# Altium PCB openmv-ae3.PcbDoc (part 5 of 5)
Units mil, origin at the board's own origin, x right, y up, seen from the top; angles counter-clockwise.
Board outline 1400 x 1750 mil, 10 copper layers (Top, L2G, L3V, L4P, L5H, L6V, L7P, L8H, L9G, Bottom Layer), stack 46.28 mil thick; 351 components, 311 nets, 1344 pads, 643 vias.
Unrouted connection lines stored in the file: 8.
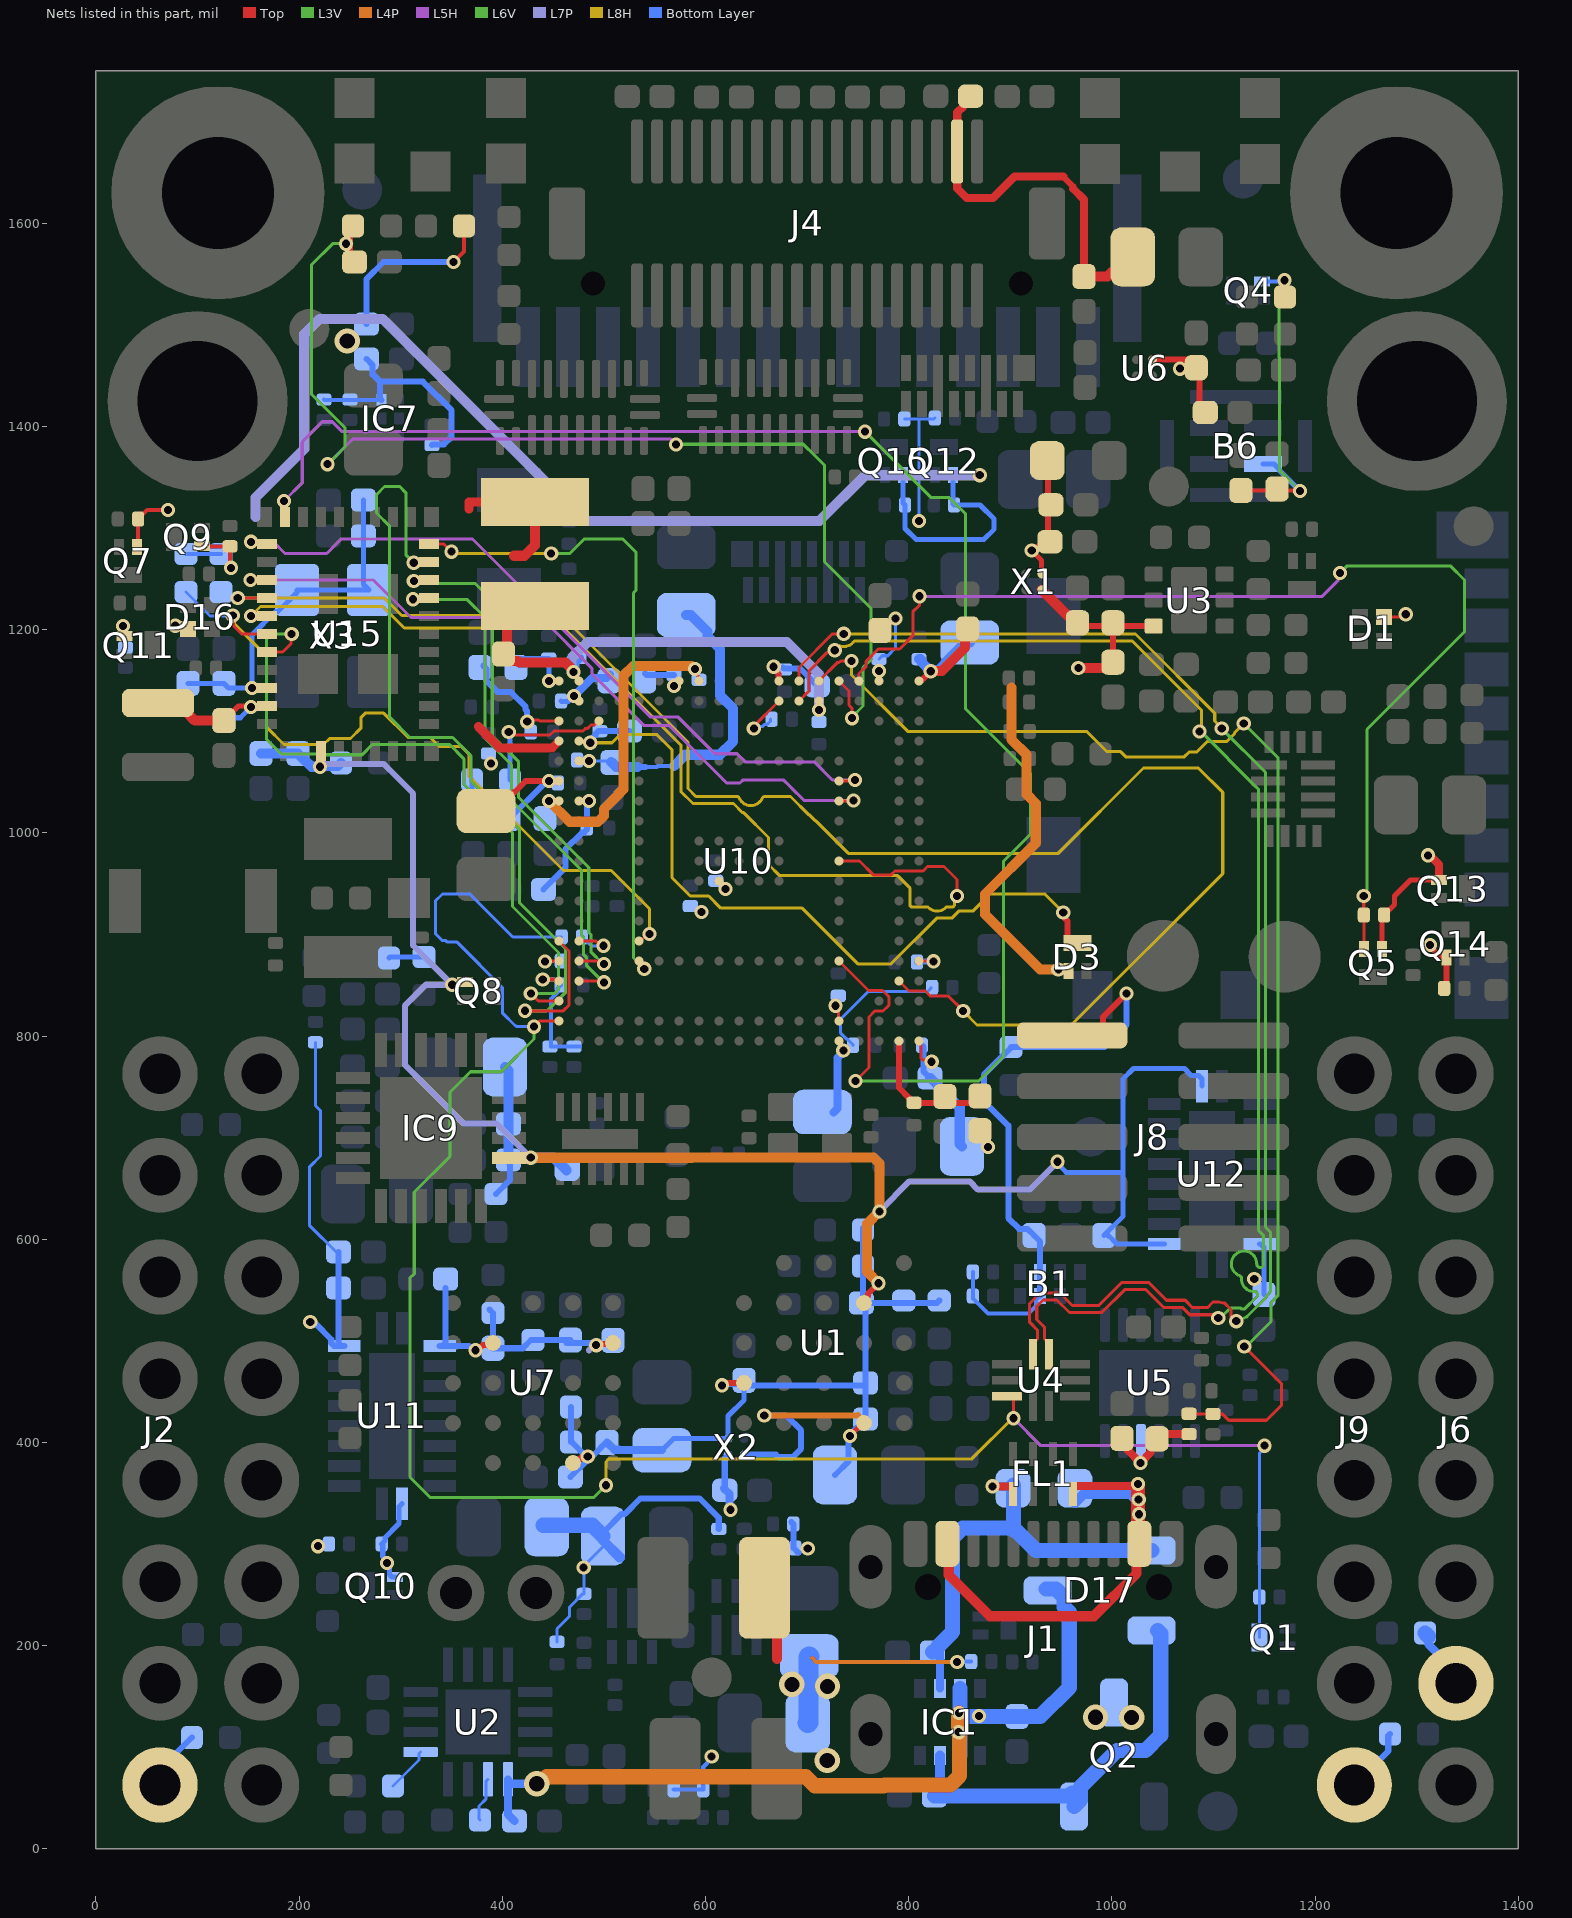
[diagram p13: the nets of this part, all layers, seen from the top]

## Via types
v1: diameter 14, hole 8, Top to Bottom Layer, tented both sides, 631 vias
v2: diameter 25, hole 15, Top to Bottom Layer, tented both sides, 7 vias
v3: diameter 30, hole 15, Top to Bottom Layer, tented both sides, 3 vias
v4: diameter 14/14/0/14/14/14/14/0/14/14 (per signal layer), hole 8, Top to Bottom Layer, tented both sides, 2 vias

## Nets (pads, with @x,y where several pads share a name; then routed paths per layer and width w, separated by ;. In a path a pad name is that pad's centre, name@x,y a point inside that pad or via, vN(x,y) a via of type N, cw(c..) or ccw(c..) an arc to the next point about the centre after c; other vN are vias at no path point) (continued)
TM: R78.1 U10.J11
  other v1: 619.65,944.97
TMR: R11.1 U2.14 | length 44
  Bottom Layer w3: R11.1@377.95,28.54 376.97,29.53 376.97,42.32 383.65,49.01 383.65,66.33 U2.14@385.82,68.5
TS: R9.1 U2.1 | length 44.7
  Bottom Layer w3: R9.1@292.32,62.01 317.92,87.61 317.92,93.91 U2.1@319.48,95.47
USB_D_N: U4.6 U10.V7 | length 1429.6
  Top w3: U10.V7@691.93,1129.92 702,1139.99 702,1146.83 701.83,1147 701.83,1159.83 719.79,1177.79 ; U4.6@937.99,486.83 937.99,497.72 935.48,500.24 935.38,500.24 933.62,502 933.62,513.56 925.95,521.23 925.95,534.05 932.12,540.22 945.88,540.22 958.1,528 990,528 1012.48,550.48 1033.4,550.48 1050.79,533.09 1069.16,533.09 1076.44,525.81 1102.83,525.81 1103.71,524.93 1104.59,524.05 v1(1104.57,522.5)
  L3V w3: v1(1086,1100) 1087.22,1100 1141.07,1046.15 1144,1043.22 1144,609.1 1146.07,607.03 1149,604.1 1149,574.05 1148.12,573.17 1147.24,572.29 1146,572.29 1145.36,572.29 ccw(c1140,561) 1144.32,572.73 1144.2,572.79 cw(c1145.49,575.49) 1142.49,575.56 ccw(c1130,576) 1125.59,564.3 cw(c1124.51,561.51) 1127.51,561.44 ccw(c1140,561) 1140.26,548.5 1141.5,548.5 1142.37,547.64 ; v1(1104.57,522.5) 1105.37,523.3 1105.37,523.54 1105.98,524.15 1106.86,525.03 1109.08,525.03 1116.41,532.35 1126.76,532.35 1127.81,531.3 1130.3,531.3 1143.26,544.26 1143.26,545.5 1143.26,546.74 1142.38,547.62
  L8H w3: v1(727.15,1179.89) 731.17,1183.92 732.41,1183.92 732.79,1183.92 ccw(c736,1196) 745.46,1187.83 745.53,1187.9 746.41,1188.78 1020.22,1188.78 1023.15,1185.85 1088,1121 1088,1102 v1(1086,1100)
USB_D_P: U4.7 U10.W7 | length 1408.4
  Top w3: U10.W7@691.93,1149.61 691.93,1162.93 725,1196 v1(736,1196) ; U4.7@922.24,486.83 922.24,497.72 924.76,500.24 924.86,500.24 926.62,502 926.62,510.67 918.95,518.33 918.95,536.95 929.22,547.22 948.78,547.22 961,535 987.1,535 1009.58,557.48 1036.29,557.48 1053.69,540.09 1072.06,540.09 1079.34,532.81 1093.92,532.81 1099.42,538.31 1105.26,538.31 ccw(c1109.37,550.11) 1109.5,537.61 1110.47,537.61 1117.1,530.98 1117.1,522.39 1118.86,520.63 1120.81,520.63 1121.58,519.85 cw(c1120.75,516.97) v1(1122.33,519.52)
  L3V w3: v1(1108,1102.73) 1151,1059.73 1151,612 1156,607 1156,548.76 1150.26,541.36 1134.45,525.55 1132.69,523.79 1126.52,521.17 1123.78,521.17 1122.9,520.29 1122.25,519.64 cw(c1119.83,517.86) v1(1122.33,519.52)
  L8H w3: v1@736,1195.78 1023.12,1195.78 1026.05,1192.85 1101.16,1117.73 1101.16,1110.27 1108,1103.43 v1(1108,1102.73)
USB_D_SEL_INT: R2.2 U10.F18 | length 51.4
  Top w3: U10.F18@475.39,893.7 491.91,893.7 496.62,888.99 v1(499.6,888.99)
  Bottom Layer w3: R2.2@478.4,897.72 478.4,897.04 483.71,891.72 484.4,891.72 487.13,888.99 v1(499.6,888.99)
USB_D_SEL_SBL: Q1.3 R2.1 R100.2 U4.10 U10.B19 | length 1989
  Top w3: v1(431.16,809.37) 434.61,812.82 434.61,813.2 436.37,814.96 U10.B19@455.71,814.96 ; U4.10@896.71,445.68 900.48,445.68 903,443.17 v1(903,424)
  L3V w3: v1(431.16,809.37) 431.16,797.16 399,765 368.6,765 348.6,745 348.6,681.89 313.26,646.55 313.26,566.02 311.24,564 310.76,564 309,562.24 309,366 329,346 490,346 v1(502,358)
  L8H w3: v1(502,358) 502,380.95 505.05,384 862,384 902,424 v1(903,424)
  L5H w3: v1(903,424) 930,397 v1(1150,397)
  Bottom Layer w3: v1(431.16,809.37) 414.63,809.37 414,810 413,810 400,823 400,848 355.48,892.52 345.79,892.52 344.31,894 341,894 334,901 334,933 341,940 368,940 410.28,897.72 R2.1@458.4,897.72 ; Q1.3@1145.4,208.35 1145.4,389.74 1150,394.34 v1(1150,397)
USB_R: R71.1 U10.V8 | length 60.3
  Top w3: v1(647.47,1102.88) 647.47,1105.14 U10.V8@672.24,1129.92
  Bottom Layer w3: v1@645.8,1102.88 v1(647.47,1102.88) 649.3,1104.71 655.9,1104.71 658.12,1106.93 660.61,1106.93 664,1110.31 R71.1@664,1112
USB_VBUS: FL1.4 J1.A4_B9 J1.B4_A9 L1.2 | length 511.7
  Top w8: FL1.4@961.62,349.4 961.62,357.15 961.68,357.21 969.43,357.21 969.49,357.27 1019.47,357.27 1020.3,358.1 1024.54,358.1 v1(1025.69,359.25)
  Top w10: J1.A4_B9@837.97,300.39 839.39,298.97 839.39,269.61 880,229 982,229 1024.07,271.07 1024.07,297.52 J1.B4_A9@1026.94,300.39 J1.B4_A9@1025.69,301.65
  Top w14: J1.B4_A9@1025.69,301.65 v1(1025.69,359.25)
  Bottom Layer w10: L1.2@963.58,340.55 972.52,349.48 1017.99,349.48 1022.66,344.81 1025.49,344.81 1025.69,344.62 v1(1026.26,344.05)
  Bottom Layer w14: v1(1025.69,359.25) 1025.69,344.62 1025.69,330.2 v1(1026.47,329.42)
USB_VBUS_R: R67.2 R69.1 U10.W6 | length 1301.3
  Top w3: U10.W6@711.61,1149.61 729.66,1167.65 ccw(c727.15,1179.89) 733.73,1169.27 v1(743.56,1169.27) ; R67.2@1075.79,428.31 R69.1@1099.25,428.31 ; R69.1@1100,428 1109,428 1115,422 1152,422 1167,437 1167,457.69 v1(1130.15,494.54)
  L3V w3: v1(1129.71,1107.81) 1163.28,1074.24 1163.28,544.48 1156.5,537.7 1156.5,518.93 1132.1,494.54 v1(1130.15,494.54)
  L8H w3: v1(743.56,1169.27) 743.56,1155.44 799,1100 975,1100 995,1080 1008.53,1080 1013.56,1074.97 1071.17,1074.97 1075.75,1079.55 1083.22,1079.55 1093.91,1090.23 1113.18,1090.23 1120.5,1097.55 1120.5,1098.59 v1(1129.71,1107.81)
USER_SW_INT: C133.2 R68.2 U10.W5 | length 1124.2
  Top w3: U10.W5@731.3,1149.61 741.2,1139.71 741.2,1125.87 744,1123.06 v1(744,1113)
  Top w4: R68.2@252.95,1597.44 250.98,1595.47 250.98,1565.55 C133.2@254.53,1562.01
  L3V w3: v1(228,1363) 245,1380 245,1399 212,1432 212,1559 233,1580 v1(246,1580) ; v1(570.96,1382.51) 571.08,1382.63 696.23,1382.63 708.1,1370.76 708.24,1370.76 717,1362 717,1267 763,1221 763,1171 755,1163 755,1125 v1@744,1114
  L5H w3: v1(228,1363) 253,1388 261.64,1388 ccw(c265.16,1407.18) 268.68,1388 565.47,1388 v1(570.96,1382.51)
V_BATT: C4.2 C9.2 C114.1 D17.3 IC1.2 IC1.7 U2.13 | length 936.3
  Top w10: C114.1@658,257 670.33,244.67 670.33,186.92
  L4P w15: v2(433.93,64.2) 436.64,64.2 443.43,70.99 698.68,70.99 707.35,62.32 775.3,62.32 775.98,63 841,63 850,72 850,114.08 v1(849.1,114.98) 849.1,132.5 849.47,132.86 v1(849.47,133.93)
  Bottom Layer w8: U2.13@405.51,68.5 U2.13@405.51,63.89 ; C9.2@412.01,27.56 405.51,34.05 U2.13@405.51,63.89 ; v2(433.93,64.2) 405.82,64.2 U2.13@405.51,63.89
  Bottom Layer w15: IC1.2@850.39,92.01 850.39,113.69 v1(849.1,114.98) 849.1,131.72 849.47,132.08 v1(849.47,133.93) 850.39,134.85 IC1.7@850.39,157.99 ; v1@850.39,133 853.08,130.32 C4.2@906.5,130.32 929.32,130.32 958,159 958,233 952.78,238.22 952.78,248.14 944.93,256 D17.3@935,256
  other v1: 869,131
VBUS: C3.2 C34.1 C38.2 D17.1 FL1.1 IC1.6 L1.1 R67.1 U5.4 | length 536
  Top w8: v1(882.4,356.94) 902.49,356.94 902.56,356.87 FL1.1@902.56,349.4 ; C34.1@1009.84,404.13 1016.06,397.91 1016.06,391.94 v1(1028,380) 1038.07,390.07 1038.07,402.09 1044.29,408.31 R67.1@1075.79,408.31
  Bottom Layer w8: IC1.6@830.71,157.99 C3.2@830.71,193.9
  Bottom Layer w15: C3.2@823.23,193.9 824.21,193.9 828.13,197.81 828.13,198.8 842.97,213.64 842.97,306.05 852.92,316 903,316 925.21,293.79 D17.1@1039.02,293.79 ; 903,314 L1.1@903,358
VCC_1.8V: B1.3 B1.6 B6.3 C25.1 C26.1 C27.2 C41.1 C46.1 C48.2 C55.2 C58.1 C87.2 C107.2 C108.1 C109.2 C111.2 D10.1 IC7.6 J8.1 L3.2 Q4.1 Q5.1 Q13.1 R15.2 R17.1 R35.2 R37.2 R49.2 R50.2 R61.2 R66.2 R72.2 R74.2 R75.2 R76.2 R77.2 R95.2 U10.A5 U10.D19 U10.W3 X2.A2 | length 2076.5
  Top w4: v1@354,1564 362.2,1572.2 R66.2@362.2,1597.44 ; v1(439.7,855.74) 451.02,855.74 451.52,855.23 454.81,855.23 U10.D19@455.71,854.33 ; C87.2@1126.97,1337.2 1184.45,1337.2 v1(1185.04,1336.61)
  Top w5: Q5.1@1265.75,885.83 1265.75,917.17 R61.2@1267.87,919.29 1267.87,920.52 1271.34,923.98 1272.57,923.98 1278,929.42 1278,938 1293.74,953.74 Q13.1@1321.85,953.74
  Top w6: J8.1@960.82,800.79 981.77,800.79 991.31,810.33 991.31,819.07 v1(1014.32,842.08)
  Top w8: J8.1@981.77,800.79 J8.1@1001.79,800.79 ; v1@1312,979 1321.85,969.15 Q13.1@1321.85,953.74
  L6V w3: v1(1169.79,1544.07) 1169.79,1542.11 1164.5,1536.82 1164.5,1467.82 1165,1467.32 1165,1356.65 v1(1185.04,1336.61)
  Bottom Layer w3: C55.2@745,791 745,791.69 739.69,797 739,797 733,803 733,817 760,844 818.61,844 822,847.39 R95.2@822,848 ; C109.2@770.67,1171.09 774.01,1174.43 779.43,1174.43 787,1182 v1(787,1211)
  Bottom Layer w4: R37.2@224.41,1426.54 224.76,1426.18 IC7.6@280.91,1426.18 ; v1(439.7,855.74) 457.5,855.74 C111.2@457.5,850.39 454.12,847.01 454.12,843.09 447.64,836.61 447.64,789.72 R50.2@476.39,789.72 ; R75.2@863.03,567.91 R74.2@863.03,544.29 863.03,541.97 878,527 918,527 925.23,534.23 925.23,540.39 B1.3@929.13,544.29 ; Q4.1@1147.78,1542.86 v1@1166.95,1542.86
  Bottom Layer w5: B6.3@1148.62,1363.19 1159.45,1363.19 1164.82,1357.82 1164.82,1356.83 v1(1185.04,1336.61) v1@1186.02,1336.61
  Bottom Layer w6: C26.1@266.34,1466.54 272.34,1460.54 272.34,1451.46 279.59,1444.21 ; C27.2@266.34,1500.98 266.34,1545.34 283,1562 v1(352,1562) ; IC7.6@280.91,1426.18 279.59,1427.5 279.59,1444.21 ; R15.2@330.71,1381.73 331.43,1382.46 342.46,1382.46 350,1390 350,1416 321.79,1444.21 279.59,1444.21 ; C58.1@618.87,353 618.87,354.13 618.87,384.15 622.13,387.41 X2.A2@622.13,388.13 ; R17.1@684.49,321.73 R17.1@686.34,319.88 686.34,296.26 686.82,296.26 C48.2@691.32,291.76 ; D10.1@892.17,780.17 874,762 874,736 898,712 898,621 908.61,610.39 916.78,610.39 C41.1@923.23,603.94 929.13,598.03 B1.6@929.13,567.91 B1.3@929.13,544.29 ; D10.1@892.17,780.18 900.59,788.59 D10.1@900.59,789.37 992.37,789.37 1014.32,811.32 v1(1014.32,842.08)
  Bottom Layer w8: C58.1@618,355 618.87,354.13 623.38,349.62 623.38,335.09 v1(624.53,333.94) ; C107.2@726,725 730,729 730,778.73 735.57,784.3 v4(735.57,785.92) ; v1@1166.95,1542.86 1168.1,1544 v1@1170,1544
  Bottom Layer w20: L3.2@700.46,124 701.23,124.77 701.23,188.77 C46.1@702,189.54
  other v1: 700.55,295.76 595.92,922.37 1311,978 388.68,1068.31 770.67,1159.45
  other v2: 719.65,87.07 720,160 685,162 247.24,1484.24
VCC_1.8V_GATED: C2.1 C6.1 C7.1 C11.1 C12.2 C13.1 C14.2 C15.1 C16.1 C23.2 C29.2 C59.1 C69.1 C71.1 C76.1 C86.2 C89.1 C90.2 C96.1 IC9.14 Q7.1 Q8.1 Q9.1 Q10.1 Q11.1 Q12.1 Q15.1 R18.1 R23.1 R24.1 R25.1 R29.1 R30.1 R31.1 R32.1 R34.2 R36.2 R39.2 R56.2 R83.2 R84.2 R85.2 R87.2 R88.2 R91.2 R93.2 R94.1 U1.B4 U1.D1 U1.E4 U7.B4 U7.D1 U7.E4 U11.2 U11.10 U12.2 U12.10 U15.36 X2.A1 | length 4637.4
  Top w4: Q7.1@40.35,1281.5 41.5,1282.64 R83.2@41.5,1309.06 41.5,1310.01 45.42,1313.94 46.38,1313.94 50.44,1318 v1(71,1318) ; Q9.1@104.33,1282.48 104.65,1282.17 R84.2@131.89,1282.17 131.89,1262.11 v1(133,1261)
  Top w5: v1(742.02,406.5) 754.81,419.29 U1.E4@755.91,419.29
  Top w6: v1(373.55,490.92) 375.72,490.92 380.97,496.17 388.88,496.17 U7.B4@390.75,498.03 ; U7.D1@469.49,379.92 472.13,379.92 476.91,384.7 ; v1(492.27,495.91) 493.33,496.97 507.8,496.97 U7.E4@508.86,498.03 ; v1(616.21,456.35) 618.38,456.35 620.7,458.66 U1.D1@637.8,458.66 ; U1.B4@755.91,537.4 755.91,540.04 759.72,543.86 759.72,546.26 v1(770.25,556.8)
  L4P w10: v1(427.9,680.42) 586.69,680.42 586.86,680.59 765.22,680.59 771.25,674.56 v1(771.25,627.57) 759,615.32 759,568.05 v1(770.25,556.8)
  L7P w5: v1@372.47,492 v1(373.55,490.92)
  L7P w6: v1(220.53,1065.19) 217.72,1068 283,1068 312,1039 312,889.3 v1(350.63,850.67) 324.67,850.67 304,830 304,772 362,714 394.31,714 v1(427.9,680.42) 426.36,678.89 419.89,678.89 ; 485.12,490.92 490.11,495.91 v1(492.27,495.91) ; v1(771.25,627.57) 800.68,657 860,657 868,649 919.13,649 v1(946.5,676.37)
  L7P w10: 157,1311 157,1330 205,1378 205,1491 220,1506 282,1506 481,1307 712,1307 757.18,1352.18 v1(869.82,1352.18)
  Bottom Layer w4: v1(26.72,1203.8) 26.72,1201.09 28.99,1198.81 R87.2@28.99,1182.66 ; R93.2@88.58,1274.61 R56.2@123.03,1274.61
  Bottom Layer w5: 282.27,288.16 282.27,299.11 R85.2@281.18,300.2 284.37,303.39 284.37,306.37 298.27,320.27 298.27,336.86 U11.10@301.18,339.78 ; R34.2@288.39,876.97 289.37,877.95 R36.2@322.83,877.95 350.12,850.67 v1(350.63,850.67) ; v1@288.92,276.64 288.92,270.14 291.34,267.72 Q10.1@294.29,267.72 ; C29.2@557,392.54 568.34,403.87 X2.A1@622.13,403.87 622.13,426.13 637.8,441.8 C6.1@637.8,457.12 ; v1(616.21,456.35) 616.99,457.12 C6.1@637.8,457.12 ; C6.1@640.41,458.61 638.91,457.12 C6.1@637.8,457.12 ; Q15.1@794.29,1352.36 794.29,1324.8 R91.2@796.26,1322.83 796.26,1299.74 807,1289 874,1289 884,1299 884,1309 870.17,1322.83 R88.2@844.65,1322.83 843.5,1323.98 Q12.1@843.5,1352.36 869.64,1352.36 v1@870,1352 ; v1(946.5,676.37) 946.5,674.5 955,666 1011,666 ; C71.1@992,603.87 1011,622.87 1011,666 ; C71.1@996.06,603.54 996.94,603.54 1005.01,595.47 U12.2@1051.52,595.47 ; U12.10@1088.58,750.78 1088.58,757.85 1085.18,761.25 1078.11,761.25 1071.26,768.1 1021.1,768.1 1011,758 1011,666
  Bottom Layer w6: U11.2@338.24,495.08 U11.2@340.99,495.08 ; C69.1@343.9,552.17 343.9,497.98 U11.2@340.99,495.08 ; 367.23,495.08 U11.2@340.99,495.08 ; R30.1@387.26,531.05 R30.1@390.75,527.56 390.66,527.48 C16.1@390.66,492.84 420.02,492.84 428.16,500.98 430.02,500.98 430.13,500.87 C59.1@467,500.87 ; R39.2@393.7,644.68 407.41,658.39 C89.1@407.41,679.65 ; C59.1@463,498 488.02,498 490.11,495.91 v1(492.27,495.91) ; C13.1@466.93,366.14 v1@482.45,381.66 ; R32.1@467.52,435.04 R31.1@467.52,400.59 468.28,400.59 482.63,386.23 v1(483.98,386.23) ; v1@489.92,387.77 502.35,400.2 C23.2@502.95,400.2 ; C6.1@640.41,458.61 643.02,456 754.82,456 C12.2@757.48,458.66 ; C14.2@727.36,368.11 740.48,381.23 740.48,404.97 v1(742.02,406.5) 742.02,407.62 757.48,423.09 C7.1@757.48,423.23 C12.2@757.48,458.66 ; v1(771.25,627.57) 762.75,619.07 754.92,611.21 R18.1@754.92,609.25 R23.1@754.92,573.82 754.92,538.98 C11.1@753.35,537.4 ; R24.1@830,539.7 827.7,537.4 C11.1@753.35,537.4 ; C11.1@753.35,537.4 757.48,533.27 C12.2@757.48,458.66
  Bottom Layer w8: C23.2@502.95,400.2 510.16,392.99 514.6,392.99 515.06,392.54 C29.2@557,392.54
  Bottom Layer w10: C86.2@162.4,1078.15 C76.1@198.82,1078.15 198.82,1077.67 205.16,1071.33 206.12,1071.33 212.25,1065.19 v1(220.53,1065.19) 221.3,1065.96 238.2,1065.96 R94.1@241.14,1068.9 ; C96.1@402.56,769.68 405.91,766.34 C90.2@405.91,713.58 C89.1@405.91,678.15 407.41,679.65 427.13,679.65 v1(427.9,680.42) 450.58,680.42 455.58,675.42 455.97,675.42 463,668.38 C2.1@463,668
  other v1: 286.49,281.51
VCC_3.3V: C18.1 C22.1 C45.1 C47.2 C53.1 C56.2 C57.1 C60.1 C62.1 C92.2 C93.1 C94.2 C95.2 C97.1 C98.2 C99.2 C112.1 C113.2 D3.1 L2.2 R8.1 R13.1 R14.1 R16.2 R20.2 U3.3 U6.A2 U10.P19 U10.R18 U10.W1 U10.W8 X1.A2 | length 1830.7
  Top w6: C95.2@403.33,1031.54 422.97,1051.18 v1(445.87,1051.18) ; v1@669,1164 668.53,1163.53 668.53,1159.99 671.92,1156.59 671.92,1149.92 U10.W8@672.24,1149.61 ; U10.W1@810.04,1149.61 810.56,1150.12 812.56,1150.12 v1(821.66,1159.22) ; C53.1@966,1206.87 969.23,1203.64 C18.1@1001,1203.64 ; C60.1@1001,1168.13 C18.1@1001,1203.64 ; C18.1@1001,1206.87 C18.1@1001,1203.64 ; U6.A2@1039.87,1465.87 1074.39,1465.87 1082.39,1457.87 C62.1@1083,1457.87 ; U3.3@1041.06,1203.64 C18.1@1001,1203.64 ; C62.1@1086,1454 1086,1419.87 C22.1@1091.87,1414
  Top w10: v1(821.66,1159.22) 821.94,1159.5 832.5,1159.5 855.16,1182.16 855.16,1198.03 C93.1@858,1200.87 ; X1.A2@930.75,1239.25 956.3,1213.7 959.65,1213.7 966,1207.35 C53.1@966,1206.87 ; v1(966.88,1162.47) 995.34,1162.47 C60.1@1001,1168.13
  L4P w4: 705,188 708.83,184.17 v1(847.59,184.17)
  L4P w10: 901,1143 901,1092 916,1077 916,1038 925,1029 925,990 875,940 875,920 929.42,865.58 947.07,865.58 v1(947.2,865.71)
  Bottom Layer w3: C47.2@453.74,203.91 453.74,216.74 466,229 466,238 479.14,251.14 R20.2@480.32,251.14 480.32,278.88 499.02,297.58 499.02,303.6 L2.2@499.02,308.07 ; v1(485.24,1070.87) 506.3,1070.87 C57.1@507.87,1069.29
  Bottom Layer w4: 541,1065 552.06,1065 553.06,1066 569,1066 ; R14.1@568.69,58.38 R13.1@597.69,58.38 597.69,80.69 606,89 v1(606,91) ; v1(847.59,184.17) 847.76,184.34 861.26,184.34 R8.1@861.43,184.51
  Bottom Layer w6: C112.1@406.5,1014.17 441.97,1049.65 444.34,1049.65 v1(445.87,1051.18) ; L2.2@499.02,308.07 499.02,311.46 517.35,329.79 520.73,329.79 535.94,345 594,345 613,326 R16.2@613,315 ; 533,1065 541,1065 ; C99.2@676.18,1163.06 C99.2@677.29,1161.94 ; C99.2@679.6,1161.89 692.99,1161.89 C97.1@709.87,1145
  Bottom Layer w10: L2.2@499.02,303.6 L2.2@515.5,287.12 ; C57.1@507,1070 512,1065 533,1065 ; 569,1066 580,1077 614,1077 627.07,1090.07 627.07,1122.51 614.34,1135.23 614.34,1181.19 601.95,1193.58 601.95,1198.05 585.47,1214.54 C92.2@581,1214.54 ; C56.2@810.04,1171.09 811.54,1171.09 812.54,1170.09 812.54,1168.34 v1(821.66,1159.22) 822.43,1159.99 828.97,1159.99 836.06,1167.08 836.06,1168.07 855.53,1187.54 C98.2@860,1187.54
  Bottom Layer w15: C45.1@439.86,318.6 488.49,318.6 L2.2@499.02,308.07
  other v1: 480,277 667,1163.68 1067,1457
VCC_3.3V_CPU: C115.1 C117.2 D3.3 U10.T18 | length 756.4
  Top w6: v1(952.01,921.8) 953.54,920.27 953.54,916.24 956.22,913.56 956.22,896.65 961.09,891.78 D3.3@966,891.78
  L8H w3: v1(486.51,1088.82) 507.82,1088.82 516,1097 552,1097 567,1082 567,956 585,938 603,938 615,926 695,926 749.81,871.19 782.48,871.19 827.46,916.17 842.31,916.17 849.14,923 863,923 880,940 933.81,940 v1(952.01,921.8)
  Bottom Layer w6: v1(486.51,1088.82) 486.51,1090.99 491.56,1096.04 491.56,1097.22 494.56,1100.22 C117.2@496.06,1100.22 525.02,1100.22 C115.1@525.2,1100.39
VCC_3.3V_GATED: C1.1 C24.2 C54.1 C70.1 C72.1 C73.1 C75.1 C80.2 D1.4 D4.1 D14.1 D16.4 FB1.1 J2.1 J9.1 L8.2 Q14.1 R86.2 R89.2 R90.2 R92.2 R97.2 U11.19 U12.19 U15.30 X1.A1 X2.B2 X3.1 X3.4 | length 1438.5
  Top w3: D1.4@1267.72,1212.6 1283.41,1212.6 1286.12,1215.31 v1(1289.1,1215.31)
  Top w5: v1(153.54,1142.72) U15.30@168.31,1142.72 ; X1.A1@930.75,1255 930.75,1268.25 v1(921,1278) 923.18,1278 935.18,1290 C1.1@936.87,1290 ; C1.1@936.2,1285.07 C1.1@938.32,1285.07
  Top w6: C1.1@936.87,1290 FB1.1@936.87,1363.87 ; v1(1313.01,889.85) 1313.01,888.69 1324.74,876.97 1329.14,876.97 R90.2@1329.14,846.56
  L4P w6: v1(657.71,426.68) 749.68,426.68 750,427
  Bottom Layer w3: R97.2@216,794 216,731.68 221,726.68 221,682 210,671 210,614 L8.2@237,587 ; R92.2@795.59,1407.48 810.12,1407.48 ; v1@810,1310 810.12,1310.12 810.12,1407.48 ; R89.2@825.63,1408.46 824.65,1407.48 810.12,1407.48
  Bottom Layer w5: C75.1@90.55,1147.24 C80.2@125.98,1147.24 130.51,1142.72 v1(153.54,1142.72) 153.54,1194.88 176.54,1217.88 178.9,1217.88 197.83,1236.81 X3.4@197.83,1239.17 X3.1@268.7,1239.17 263.19,1244.68 C73.1@263.19,1292.32 C24.2@263.19,1327.76 ; U12.19@1145.33,595.47 1146.2,595.47 1149.61,592.07 C72.1@1149.61,545.67
  Bottom Layer w6: J2.1@62.99,62.99 62.99,78.29 D4.1@94.42,109.72 ; v1(210.83,518.82) 212.37,517.29 215.71,517.29 231.53,501.47 231.53,497.98 234.43,495.08 U11.19@244.43,495.08 ; L8.2@238.78,587.6 C70.1@238.78,552.17 238.78,497.98 U11.19@241.68,495.08 ; X2.B2@637.87,388.13 669.02,388.13 671.57,385.57 685.57,385.57 694,394 694,412 679.32,426.68 v1(657.71,426.68) ; J9.1@1238.58,62.99 1271.87,96.28 1271.87,111.43 D14.1@1273.63,113.19
  other v1: 218.41,298.06 1140,561 78,1204 810.16,1307.02
VDD_CORE: C17.1 C88.1 C91.2 C102.2 C103.2 C104.2 C105.2 C106.2 C141.2 L5.2 L9.2 U10.A1 U10.B5 U10.E1 U10.E19 U10.V6 U10.W18 | length 698.1
  Top w3: v1(442,873.59) 442.21,873.8 455.5,873.8 U10.E19@455.71,874.02 ; v4(728,830) 728,827.02 730.81,824.21 730.81,815.45 U10.B5@731.3,814.96 ; U10.A1@810.04,795.28 810.04,793.73 812.14,791.63 812.14,778.23 813.9,776.46 820.83,776.46 v1(822.5,774.8) ; U10.E1@810.04,874.02 823.84,874.02 v1(824.19,873.66)
  Top w10: L5.2@432.09,1231.3 423.15,1231.3 404.53,1212.68 404.53,1172.12 407.35,1169.3 415.26,1169.3 416.88,1167.68 462.13,1167.68 469.05,1160.75 v1@469.05,1160.26
  L7P w10: v1(469.99,1158.4) 469.22,1159.17 469.22,1162.26 467.9,1163.58 467.9,1171.87 484.03,1188 680,1188 711.61,1156.39 v1(711.61,1121.06)
  Bottom Layer w3: v1(442,873.59) 457.08,873.59 C104.2@457.5,874.02
  Bottom Layer w6: C106.2@808.07,873.03 808.39,873.35 823.88,873.35 v1(824.19,873.66) ; C141.2@813,791 814.53,789.47 814.53,765.19 C17.1@820.87,758.86
  Bottom Layer w10: v1(469.99,1158.4) 470.75,1159.17 470.75,1167.6 472.89,1169.74 472.89,1171.24 473.89,1172.24 C102.2@475.39,1172.24 ; C17.1@820.87,758.86 821.34,758.86 828.27,751.93 828.27,751.46 850.11,729.61 850.11,693.79 C91.2@852.36,691.53
  other v1: 877.95,690.94
VDD_SX_0V8: C128.1 C129.2 L9.1 U10.A2 | length 135.6
  Top w6: U10.A2@790.35,795.28 790.35,749.19 800.62,738.92 800.62,737.42 803.62,734.42 C129.2@805.12,734.42 863.36,734.42 L9.1@870.08,741.14
VDDA: C51.1 C52.2 J4.4 L4.1 | length 381.3
  Top w6: 952,1646 961.87,1636.13 961.87,1634.14
  Top w8: C52.2@860.87,1725.15 853.67,1717.94 853.67,1715.05 847.64,1709.03 J4.4@847.64,1670.87 847.71,1670.8 847.71,1634.29 857,1625 883,1625 904,1646 952,1646 ; 961.87,1634.14 972.44,1623.57 L4.1@972.44,1547.64
  Top w10: L4.1@972.44,1547.64 995.47,1547.64 999.72,1551.88 1004.19,1551.88 1020.67,1568.36 C51.1@1020.67,1572.83
VIN: D7.1 J6.2 Q2.D | length 62.3
  Bottom Layer w8: D7.1@1311.39,209.27 1311.39,201.28 J6.2@1338.58,174.09
  Bottom Layer w15: D7.1@1308.07,212.6 D7.1@1311.39,209.27 ; J6.2@1338.58,162.99 J6.2@1338.58,174.09
  other v2: 1019.28,129.44 983.76,129.55
VIN_INT: C5.2 D17.2 IC1.3 Q2.S | length 394.7
  Bottom Layer w10: C5.2@830.71,60.16 IC1.3@830.71,92.01
  Bottom Layer w15: C5.2@825.2,52.17 957.68,52.17 Q2.S@960.63,55.12 ; Q2.S@962.63,41.82 968.91,48.1 968.91,60.91 1005,97 1033,97 1048,112 1048,212 D17.2@1045,215
VIN_LDO: C74.1 C79.2 L7.2 U15.31 | length 153.5
  Top w5: C74.1@125.98,1110.63 140.35,1125 U15.31@168.31,1125
  Top w10: L7.2@61.02,1127.95 81.65,1127.95 90.29,1119.32 90.29,1117.65 97.31,1110.63 C74.1@125.98,1110.63
  Bottom Layer w5: C79.2@125.98,1110.63 128.78,1113.43 141.97,1113.43 v1(152.56,1124.02)
VREF_P: C130.1 C131.2 U10.N18 | length 106.5
  Bottom Layer w6: C130.1@440.46,944.41 462,965.95 462,983.83 478.59,1000.42 480.09,1000.42 483.09,1003.42 C131.2@483.09,1004.92 483.09,1027.19 485.24,1029.33 v1(485.24,1031.5)
VREG_AON: R62.1 U10.U17 | length 143.6
  Top w3: v1(406.21,1099.47) 409.19,1099.47 412.2,1096.46 446.85,1096.46 450.79,1100.39 479.39,1100.39 482.05,1103.05 483.96,1103.05 487.2,1106.3 490.47,1106.3 494.41,1110.24 U10.U17@495.08,1110.24
  Bottom Layer w5: v1(406.21,1099.47) 407.48,1098.2 R62.1@407.48,1052.17
VREG_AON_INT: C132.1 R62.2 | length 40.6
  Bottom Layer w3: C132.1@371.06,1014.17 C132.1@372.64,1015.75
  Bottom Layer w5: R62.2@370.08,1052.17 370.08,1015.16 C132.1@371.06,1014.17
VREG_AUX_1V8: C126.1 C127.1 U10.V18 | length 59.2
  Bottom Layer w5: C127.1@457.85,1129.92 458.19,1129.58 465.21,1129.58 v1(470.47,1134.84)
  Bottom Layer w8: v1(470.47,1134.84) 488.16,1152.53 502.34,1152.53 C126.1@505.91,1156.1
VREG_DIG_1V8: C124.1 C125.2 U10.U19 | length 112.8
  Top w3: v1(424.52,1109.57) 426.17,1111.22 435.73,1111.22 436.71,1110.24 U10.U19@455.71,1110.24
  Bottom Layer w6: C124.1@381.28,1164.59 384.56,1161.31 384.56,1149.53 395.31,1138.78 408.33,1138.78 422.86,1124.25 422.86,1121.36 424.27,1119.95 424.27,1109.81 v1(424.52,1109.57)
VREG_LP_1V8: C118.1 C119.2 U10.W19 | length 55.1
  Bottom Layer w5: C118.1@414.4,1167.86 418.32,1171.78 C119.2@445.56,1171.78 445.87,1171.47 v1(445.87,1149.61)
VREG_MIPI_0V8: C122.1 C123.2 U10.W13 | length 29.3
  Bottom Layer w6: C122.1@540.35,1157.09 542.1,1155.34 C123.2@568.9,1155.34
  other v1: 568.9,1144.68
VREG_MIPI_1V8: C120.1 C121.2 U10.N19 U10.W12 | length 300
  Top w3: v1(589.65,1161.5) 589.65,1158.53 592.41,1155.76 592.41,1150.7 U10.W12@593.5,1149.61
  L4P w10: v1(445.87,1031.5) 466.36,1011 494.14,1011 500,1016.86 500,1023.63 513,1036.63 513,1037 519.05,1043.05 519.05,1154.71 528.56,1164.22 585.85,1164.22 588.57,1161.5 v1(589.65,1161.5)
VSW: L5.1 U10.T19 | length 222.3
  Top w8: 448.97,1083.81 U10.T19@455.71,1090.55
  Top w9: 367,1319 367,1325.79 L5.1@432.09,1325.79 ; 376.49,1104.74 397.42,1083.81 448.97,1083.81
  Top w10: 411.42,1272.87 421.83,1272.87 432.09,1283.13 L5.1@432.09,1317.91
WAKEUP_INT: Q5.2 R61.1 U10.W4 | length 1082.7
  Top w3: U10.W4@750.98,1149.61 750.98,1156.98 758,1164 758,1169 770,1181 791,1181 803.99,1193.99 803.99,1217.61 810.46,1224.08 v1(810.46,1232.97) ; v1(1247.8,938.1) 1247.8,919.37 R61.1@1247.87,919.29 1248.03,919.13 Q5.2@1248.03,885.83
  L3V w3: v1(1224.36,1255.93) 1231.43,1263 1333,1263 1347,1249 1347,1198 1251,1102 1251,944.28 1247.8,941.08 v1(1247.8,938.1)
  L5H w3: v1(810.46,1232.97) 1206.97,1232.97 1222.26,1248.26 1222.26,1253.82 v1(1224.36,1255.93)
WIFI_I2S_SCLK: U10.E15 U15.11 | length 634.6
  Top w3: U15.11@327.75,1284.45 342.35,1284.45 v1(349.89,1276.91)
  L3V w3: v1(448,1275) 466.3,1275 480.88,1289.58 518.23,1289.58 531.5,1276.31 531.5,1238.82 529,1236.32 529,876.9 v1(539.61,866.3)
  L8H w3: v1(349.89,1276.91) 351.8,1275 v1(448,1275)
WIFI_I2S_SDI: U10.F19 U15.10 | length 859
  Top w3: v1(422.26,825.01) 451.5,825.01 451.65,824.86 459.76,824.86 459.91,825.01 460.01,825.01 465.5,830.5 465.5,883.91 U10.F19@455.71,893.7
  L3V w3: v1(312.77,1266.01) 305,1273.79 305,1335 299,1341 284,1341 276,1333 276,1315 289,1302 289,1114.1 309.1,1094 351,1094 369.07,1075.93 369.07,1051.03 417,1003.1 417,931 462.26,885.74 462.26,843.15 444.12,825.01 v1(422.26,825.01)
WIFI_I2S_SDO: U10.E18 U15.9 | length 511
  Top w3: U10.E18@475.39,874.02 493.89,874.02 496.92,870.99 v1(499.89,870.99)
  L3V w3: v1@315.63,1245.37 373.63,1245.37 390,1229 390,1096 416,1070 416,1035 485,966 485,902 487,900 487,883 499.01,870.99 v1(499.89,870.99)
  other v1: 312.84,1248.01
WIFI_I2S_WS: U10.D18 U15.8 | length 511.3
  Top w3: U10.D18@475.39,854.33 498.55,854.33 v1(499.89,852.99)
  L3V w3: v1(312,1230) 365,1230 383,1212 383,1093.1 409,1067.1 409,1032 478,963 478,899.1 480,897.1 480,880.1 483,877.1 483,869.32 499.33,852.99 v1(499.89,852.99)
WIFI_IRQ: U10.K5 U15.26 | length 1032.7
  Top w3: U10.K5@731.3,972.44 751.46,972.44 765.07,958.84 782.59,958.84 786.41,962.65 814.09,962.65 818.44,967 834.66,967 847.5,954.16 v1(847.5,938.02)
  L8H w3: v1(152.56,1213.58) 161.98,1223 282.1,1223 303.43,1201.67 460.58,1201.67 575.59,1086.66 575.59,1040.89 587.52,1028.97 627.49,1028.97 636.42,1020.03 637.53,1020.03 662,995.56 662,969 673,958 789,958 801,946 801,928.76 801.88,927.88 802.76,927 818.87,927 ccw(c827.87,935.67) 836.88,927 843.24,927 844.12,927.88 845,928.76 845,938.02 v1(847.5,938.02)
WIFI_MISO: U10.N5 U15.24 | length 702.8
  Top w3: U10.N5@731.3,1031.5 744.95,1031.5 v1(745.46,1032.01)
  L5H w3: v1(152.18,1249.04) 272.98,1249.02 310,1212 438.1,1212 488,1162.1 488,1157 539,1106 564,1106 615.65,1054.35 ccw(c625.69,1061.8) 618.24,1051.76 619.02,1050.98 620.7,1049.3 633.82,1049.3 636.56,1052.03 676.97,1052.03 682.24,1046.76 ccw(c692.11,1054.43) 684.44,1044.56 696.12,1032.88 696.99,1032.01 v1(745.46,1032.01)
WIFI_MOSI: U10.P5 U15.22 | length 719.8
  Top w3: U10.P5@731.3,1051.18 746.06,1051.18 v1(747.08,1052.2)
  L5H w3: v1(152.44,1286.57) 174.43,1286.57 186,1275 227,1275 241.41,1289.41 370.59,1289.41 546,1114 573.12,1114 609.12,1078 631,1078 639,1070 707,1070 724.8,1052.2 v1(747.08,1052.2)
WIFI_SCLK: U10.E5 U15.20 | length 1656.5
  Top w3: U10.E5@731.3,874.02 760.31,845 774.16,845 780.46,838.7 780.46,830.59 774.61,824.75 766.62,824.75 760.77,818.9 760.77,769.09 v1(747.56,755.89)
  L5H w3: v1(185.04,1326.77) 203,1344.73 203,1385 222.76,1404.76 232.57,1404.76 242.32,1395 262.35,1395 ccw(c265.16,1407.18) 267.97,1395 567.99,1395 576.14,1395.01 v1(757,1395)
  L6V w3: v1(747.56,755.89) 868.89,755.89 893,780 893,972 920,999 920,1058 856,1122 856,1313.9 839.9,1330 822,1330 v1(757,1395)
WIFI_SSEL: R56.1 U10.D2 U15.25 | length 1659.7
  Top w3: v1(139.52,1231.24) 139.58,1231.3 U15.25@168.31,1231.3 ; U10.D2@790.35,854.33 800.25,844.43 816.42,844.43 821.46,839.39 839.05,839.39 853.5,824.94 v1(853.5,824.72)
  L8H w3: v1(139.52,1231.24) 283.76,1231.24 301,1214 458.15,1214 582.59,1089.56 582.59,1043.79 590.42,1035.97 631.7,1035.97 632.58,1035.09 ; 632.59,1035.07 632.97,1034.69 ccw(c644.5,1039.53) 656.03,1034.69 656.42,1035.09 657.3,1035.97 683.53,1035.97 701.5,1018 702,1018 708,1012 708.5,1012 740.5,980 947,980 1031,1064 1085,1064 1109,1040 1109,960 960,811 867.22,811 v1(853.5,824.72)
WL_H_WAKE: R93.1 U10.F15 U15.27 | length 759.5
  Top w3: v1@134.72,1213.78 135.08,1213.41 135.08,1204.19 143.41,1195.87 U15.27@168.31,1195.87 ; U10.F15@534.45,893.7 535.99,893.7 542.75,900.46 v1(544.71,900.46)
  L8H w3: v1(134.56,1213.94) 136.45,1212.05 136.45,1205.55 168,1174 168,1104 185,1087 224,1087 230,1093 250.56,1093 261,1103.45 261,1114 265,1118 283.1,1118 307.05,1094.05 329.05,1094.05 338.1,1085 360.1,1085 367,1078.1 367,1056.1 460.1,963 507,963 544.71,925.29 v1(544.71,900.46)
  Bottom Layer w3: R93.1@88.58,1237.2 112.2,1213.58 134.21,1213.58 v1(134.56,1213.94)
WL_REG_ON: U10.C19 U15.28 | length 698
  Top w3: U15.28@168.31,1178.15 183.77,1178.15 191.85,1186.23 191.85,1195 v1(192.6,1195.75) ; v1(427.98,842.08) 435.41,834.65 U10.C19@455.71,834.65
  L3V w3: v1(192.6,1195.75) 172.75,1195.75 168,1191 168,1092 182.31,1077.69 225.71,1077.69 226.4,1077 262,1077 272,1087 348.1,1087 362.07,1073.03 362.07,1048.13 410,1000.2 410,927.56 455.26,882.29 455.26,846.05 451.04,841.83 440.69,841.83 440.52,842 428.06,842 v1(427.98,842.08)
pads on no net: ANT1.2 FD1.1 FD2.1 FD3.1 FD4.1 FD5.1 FD6.1 FD7.1 FD8.1 IC7.2 IC9.7 IC9.16 IC9.17 J1.0 J1.A8 J1.B8 J4.MH1 J4.MH2 J8.7 M1.1 M2.1 U1.B5 U3.5 U5.6 U5.8 U7.B5 U8.6 U10.B1 U10.C1 U10.J8 U10.M18 U10.R9 U15.6 U15.7 U15.13 U15.15 U15.16 U15.17 U15.18

## Polygon pours and split planes (outlines as drawn)
GND on Top "GND_L01_P017" (solid, remove dead copper, pour order 17): 0,1750 0,0 1400,0 1400,1750
VSW on Top "VSW" (solid, remove dead copper, pour order 2): 446.85,1294.29 421.26,1268.7 386.81,1268.7 380.91,1262.8 380.91,1110.45 400.94,1090.41 455.55,1090.41 455.55,1070.87 438.81,1054.13 361.22,1054.13 361.22,1324 447.47,1324
V_BATT on Top "V_BATT_L01_P000" (solid, remove dead copper, pour order 0): 878,102 837,102 759,180 628.77,180 628.77,307.79 733.46,307.79 733.46,257.09 830.68,159.87 878.2,159.87
RAW on Top "RAW_L01_P016" (solid, remove dead copper, pour order 16): 301.18,143.7 232.28,212.6 112.2,212.6 112.2,112.2 199.8,112.2 226.38,85.63 284.76,85.63 284,71 545,71 545,143.7
VCC_3.3V_GATED on L4P "VCC_3.3V_GATED_L04_P011" (solid, remove dead copper, pour order 11): 1,4 1,527 292,527 292,71 731.99,71 731,444 1149,444 1143,4
VDD_CORE on L4P "VDD_CORE_L04_P005" (solid, remove dead copper, pour order 5): 860,764 860,1129.77 642.69,1129.77 642.69,891 602,891 602,1163.27 525,1164.27 525,964.73 424,964.73 424,690 858,690
VCC_3.3V on L4P "VCC_3.3V_L04_P009" (solid, remove dead copper, pour order 9): 723,74 723,677 406,677 406,974 513,974 513,1134 1103,1134 1103,1515 951,1515 951,1239 295,1239 295,75 296,75
VBUS on L4P "VBUS_L04_P003" (solid, remove dead copper, pour order 3): 834,343 1034,343 1034,400 834,400
VCC_3.3V_GATED on L4P "VCC_3.3V_GATED_L04_P010" (solid, remove dead copper, pour order 10): 1131,1245 1131,4 1394,4 1394,1640 70,1640 70,1317 70,1116 282,1116 282,1245 899,1245
VIN on L4P "VIN_L04_P004" (solid, remove dead copper, pour order 4): 1339,229 1002,229 955,182 955,110 966,99 1400,99 1400,228 1339,228
VCC_1.8V on L7P "VCC_1.8V_L07_P006" (solid, remove dead copper, pour order 6): 204,1500 204,1281 355,1130 355,750 1390,750 1390,1500 323,1500
VCC_1.8V_GATED on L7P "VCC_1.8V_GATED_L07_P012" (solid, remove dead copper, pour order 12): 0,1336.89 0,267 586,267 586,737 355,737 355,1319.26
VCC_1.8V on L7P "VCC_1.8V_L07_P007" (solid, remove dead copper, pour order 7): 667,220 586,220 586,803.77 1189,803.77 1189,70 667,70
GND on L2G "GND_L02_P014" (solid, remove dead copper, pour order 14): 0,1750 0,0 1400,0 1400,1750
GND on L9G "GND_L09_P015" (solid, remove dead copper, pour order 15): 0,1750 0,0 1400,0 1400,1750
GND on Bottom Layer "GND_L10_P013" (solid, remove dead copper, pour order 13): 0,1750 0,0 1400,0 1400,1750

## Keep-outs
Keep-Out Layer:
  lines w0: 0,1750 0,0 1400,0 1400,1750
  lines w6: 0,0 0,1750 1400,1750 1400,0 0,0

## Other copper
Top:
  rectangle net GND: 189.08,961.76 298.06,1028.23
  rectangle net GND: 189.73,847.44 303.35,910.65
  pour cut-out: 447,785.94 822.41,785.94 822.41,1162.67 447,1162.67 447,1162
  pour cut-out: 155.51,973.43 299.83,973.43 299.83,1080.71 324.77,1080.71 324.77,887.25 155.51,887.25 155.51,892.72
  pour cut-out: 0,1042.87 0,823.68 168.83,823.68 168.83,1043.81
L2G:
  pour cut-out: 287.4,956.69 287.4,917.32 328.74,917.32 328.74,956.69
  pour cut-out: 312.01,925.85 312.01,890.75 328.74,890.75 328.74,925.85
  pour cut-out: 248.03,925.2 269.68,925.2 269.68,948.82 248.03,948.82
  pour cut-out: 210.63,948.82 232.28,948.82 232.28,925.2 210.63,925.2
  pour cut-out: 149.61,969.49 182.09,969.49 182.09,889.76 149.61,889.76
  pour cut-out: 0,1050.2 0,823.68 168.83,823.68 168.83,1051.13
L3V:
  pour cut-out: 0,1050.2 0,823.68 168.83,823.68 168.83,1051.13
L4P:
  pour cut-out: 0,1050.2 0,823.68 168.83,823.68 168.83,1051.13
L7P:
  pour cut-out: 0,1050.2 0,823.68 168.83,823.68 168.83,1051.13
L8H:
  pour cut-out: 0,1050.2 0,823.68 168.83,823.68 168.83,1051.13
L9G:
  pour cut-out: 0,1050.2 0,823.68 168.83,823.68 168.83,1051.13
Bottom Layer:
  rectangle net RAW: 458.67,110.73 519.19,134.84
  pour cut-out: 0,1050.2 0,823.68 168.83,823.68 168.83,1051.13

## Silkscreen, mask and mechanical layers (free items; w line width, h text height)
Top Overlay:
  circle w8: c1181,20 r2.89
  circle w8: c215,20 r4
  circle w10: c159,981 r2.24
  rectangle: 787,11 1078,270
  text "USR" at 429,1677.17 h25
  text "PWR" at 1089,1592 h25
  text "OpenMV AE3 R1 / 12.14.2023" at 492.09,1185.6 h25
Bottom Overlay:
  lines w8: 62.99,826.77 62.99,866.14 185.04,866.14 240.16,811.02 ; 236.22,834.65 244.09,842.52

## Text inside footprints (layer, text, board x,y; h text height)
C114: Top Overlay "K" at 629.83,274.46 h25 r180
C116: Top Overlay "K" at 598.17,61.54 h25
J1: Top 3D Body "PCB EDGE" at 1145.06,14.76 h16
U4: Top 3D Body "*" at 939.37,438.43 h50 r90